# Allegro board MB1248D.brd (continued)
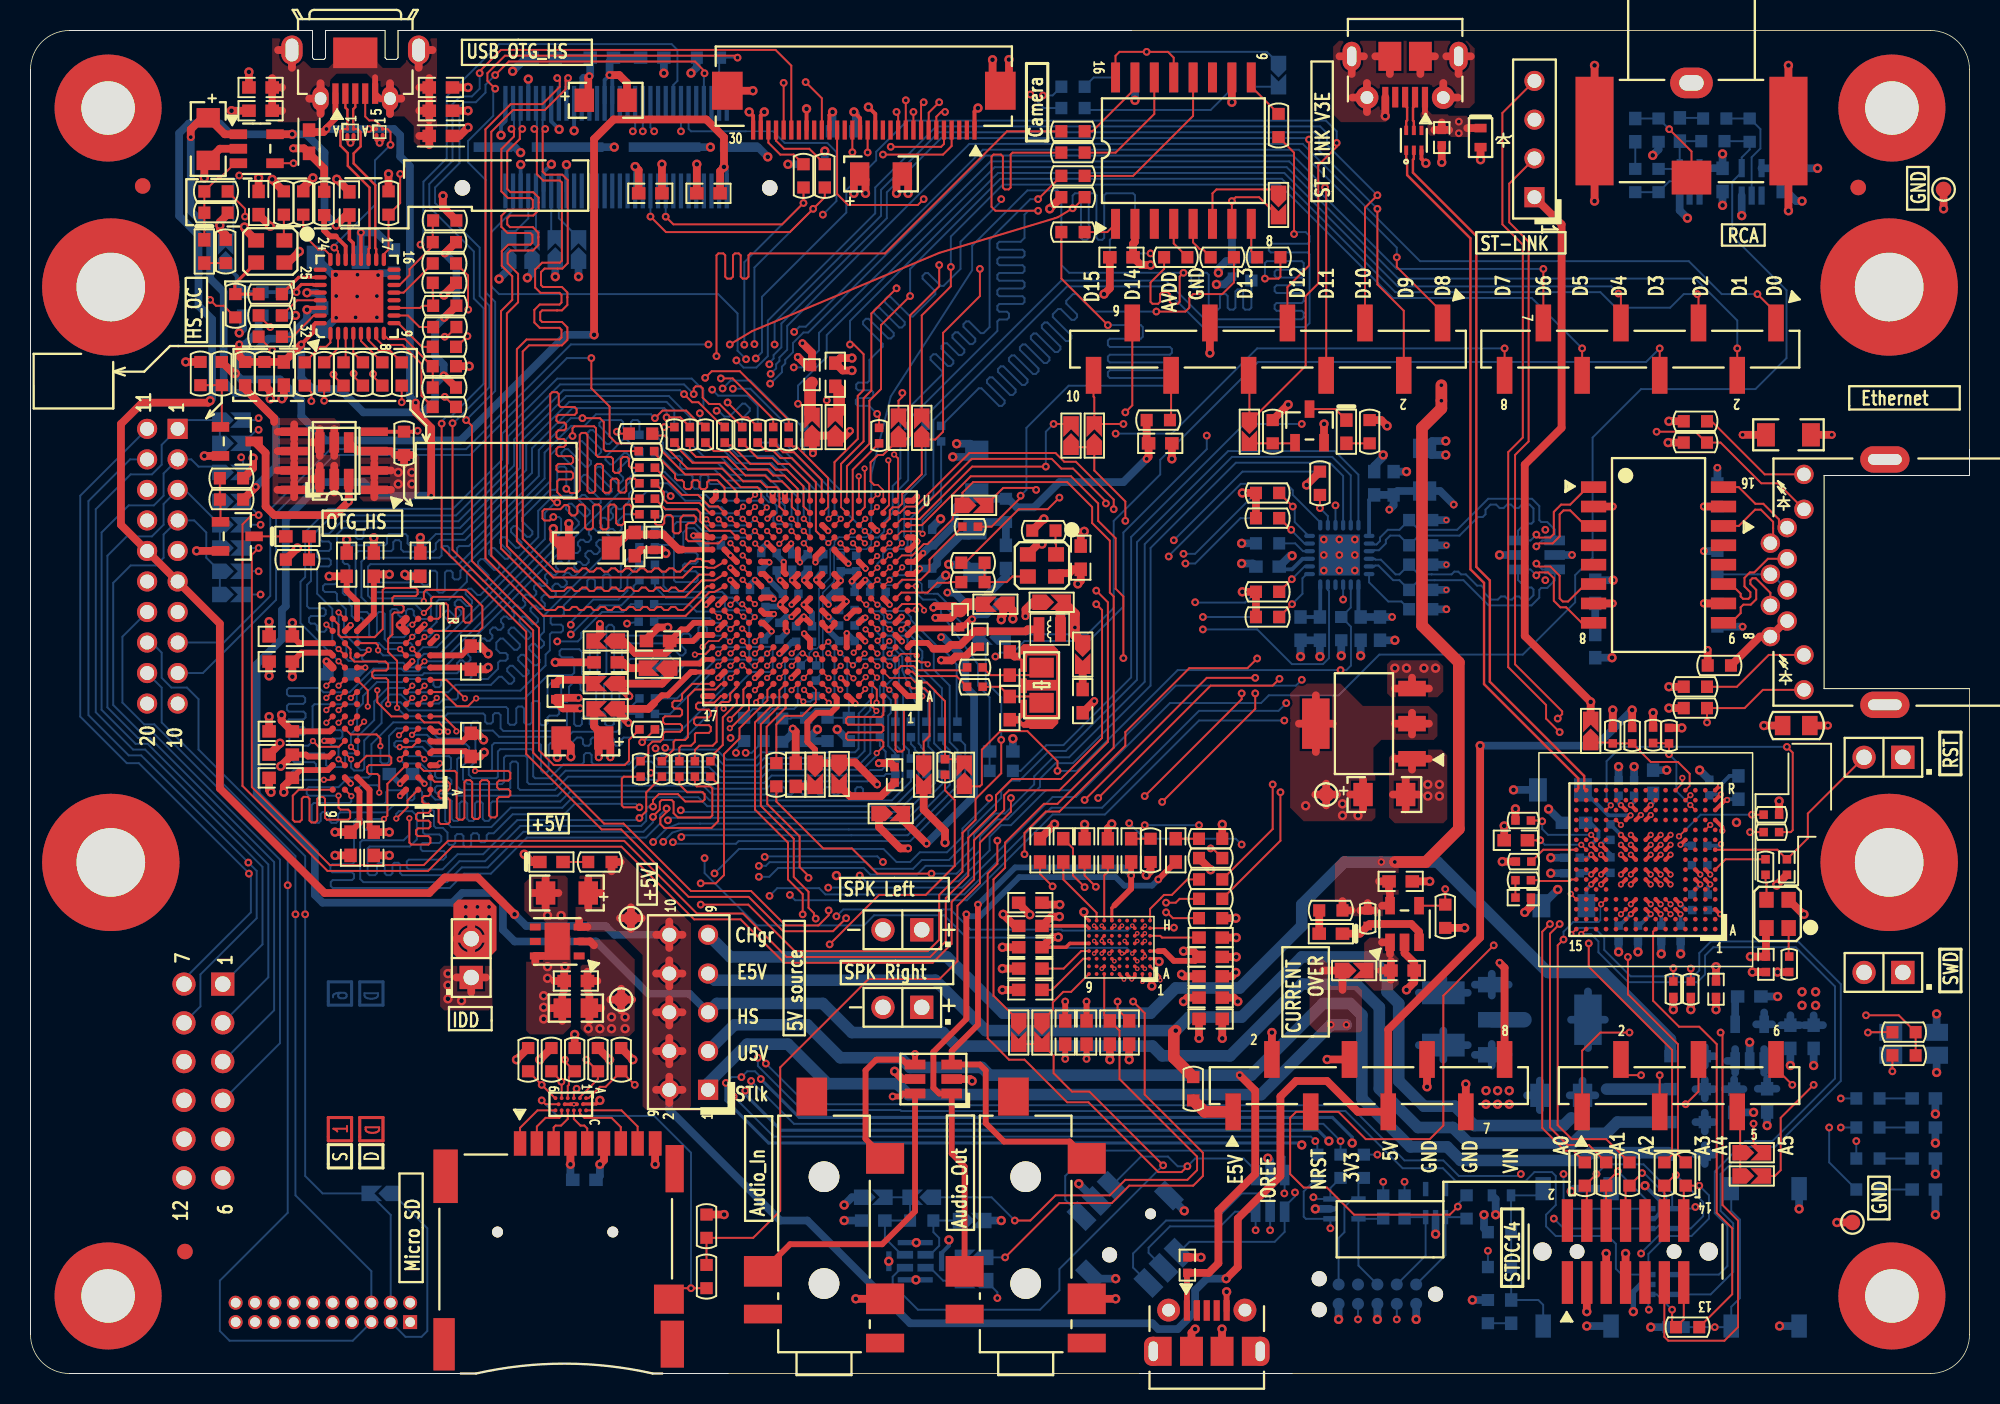
[diagram p0: board, top side]
## Routing (per net, layer and track width the routed paths; a pad name or vN(x,y) marks a point on that pad's centre or on a via; arc(x,y) is an arc through that point) (continued)
VDD_SDC: length 35.9
  TOP w0.381: U6.G2 v2(57.05,49.58)
  TOP w0.508: SB48.1 57.1,36.31 v1(58.69,34.72)
  TOP w0.635: SB19.2 68.41,48.38 v1(68.41,48.88) 68.41,49.77 67.77,50.41 67.46,50.1 L3.1
  L4_SIG w0.508: v2(57.05,49.58) 57.17,49.58 58.12,48.63 58.39,48.63 58.77,48.25 v1(59.64,48.25) 60.15,48.25 60.61,48.71 64.63,48.71 64.81,48.88 v1(68.41,48.88)
  BOTTOM w0.508: v1(59.64,48.25) 59.77,48.25 60.82,47.2 61.23,46.63 61.23,45.01 61.8,44.44 61.8,37.83 v1(58.69,34.72)
VDDA: length 9.5
  TOP w0.381: v2(58.25,52.74) 57.89,52.39 U6.L1
  BOTTOM w0.102: 59.15,52.84 C101.2
  BOTTOM w0.508: 59.15,52.84 59.39,53.07 59.39,53.38 60.91,54.9 61.47,54.9 C92.1 62.36,55.79 R158.1 L6.2 ; v2(58.25,52.74) C101.2
VIN: length 14.3
  TOP w0.508: v1(96.22,26.91) 96.55,26.58 CN8.8
  BOTTOM w0.508: 95.71,24.77 U19.3 ; U19.3 95.71,26.19 ; U19.3 96.82,25.48 ; U19.3 94.61,25.48 ; 90.94,24.94 C143.1 ; C143.1 94.14,24.94 ; C143.1 92.54,25.9
A0: length 45.1
  TOP w0.127: U7.G8 v2(20.18,42.64)
  L4_SIG w0.102: v2(20.18,42.64) 20.38,42.64 20.81,43.07 22.13,43.07 22.69,42.51 24.38,42.51 24.69,42.82 28.22,42.82 28.63,42.41 29.35,40.27 33,36.62 38.26,36.62 39.53,37.89 41.2,37.89 v1(42.59,36.91)
  BOTTOM w0.127: R199.1 58.68,38.7 56.77,36.79 42.7,36.79 v1(42.59,36.91)
A1: length 45.7
  TOP w0.127: U7.G9 v2(19.38,42.64)
  L4_SIG w0.102: v2(19.38,42.64) 19.79,41.7 20.86,40.63 21.21,40.63 24.77,39.16 25.86,39.16 27.04,38.36 32.31,34.83 v1(40.78,34.83)
  BOTTOM w0.127: R198.1 59.69,38.6 57.12,36.03 43.85,36.03 43.85,36.03 42.45,36.03 41.68,35.73 v1(40.78,34.83)
A2: length 47.1
  TOP w0.127: U7.F7 v2(21.85,42.71)
  L4_SIG w0.102: v1(41.44,34.84) 41.44,34.85 41.03,35.27 32.36,35.27 29.98,37.66 29.35,37.66 27.42,39.59 25.74,39.59 24.66,40.67 23.92,40.67 21.87,42.71 v2(21.85,42.71)
  BOTTOM w0.127: v1(41.44,34.84) 41.44,34.85 42.03,35.44 42.69,35.65 53.6,35.65 53.6,35.65 56.04,35.65 56.04,35.65 57.29,35.65 60.2,38.57 60.2,40.83 59.77,41.26 59.77,41.62 R185.1
A3: length 45.1
  TOP w0.127: v2(24.13,41.82) 24.16,41.82 U7.F3
  L4_SIG w0.102: v1(41.75,36.25) 41.2,36.79 41.2,37.45 41.08,37.58 39.68,37.58 38.38,36.28 32.87,36.28 28.38,40.78 28.38,42.18 28.09,42.46 24.78,42.46 v2(24.13,41.82)
  BOTTOM w0.127: v1(41.75,36.25) 41.75,36.29 41.88,36.41 56.96,36.41 59.22,38.67 59.22,40.67 58.81,41.09 58.81,41.57 R186.1
A4: length 41.2
  TOP w0.127: v2(27.89,42.08) 27.89,42.19 27.03,43.05 U7.G1
  L4_SIG w0.102: v1(42.63,35.16) 42.44,35.35 42.04,35.35 41.48,35.9 32.72,35.9 30.31,38.32 29.67,38.32 27.89,40.1 v2(27.89,42.08)
  BOTTOM w0.127: R197.1 60.71,38.52 57.49,35.29 57.47,35.29 57.44,35.27 55.88,35.27 55.88,35.27 53.76,35.27 53.75,35.27 42.75,35.27 42.73,35.26 v1(42.63,35.16)
A5: length 45.4
  TOP w0.127: v2(27.34,42.05) 27.34,42.08 26.75,42.66 25.79,42.66 U7.G2
  L4_SIG w0.102: v1(42.08,34.81) 42.08,34.82 41.29,35.6 32.52,35.6 30.15,37.96 29.6,37.96 27.34,40.22 v2(27.34,42.05)
  BOTTOM w0.127: v1(42.08,34.81) 42.18,34.71 46.2,34.71 46.38,34.89 53.91,34.89 53.91,34.89 55.72,34.89 55.72,34.89 57.62,34.89 61.22,38.49 61.22,41.19 R184.1
A6: length 47.2
  TOP w0.127: v2(22.71,44.77) 22.71,43.98 23.64,43.05 U7.G3
  L4_SIG w0.102: v2(22.71,44.77) 23.47,44.77 24.34,43.91 27.54,43.91 28.33,44.69 29.47,44.69 29.57,44.59 29.57,43.68 29.7,43.55 33.53,43.55 33.66,43.68 33.66,44.82 34.08,45.24 35.09,45.24 38.46,48.6 38.46,53.99 41.48,57.01 41.48,58.97 45.42,62.9 45.65,62.9 46.09,63.34 46.09,64.44 v1(46,64.53)
  BOTTOM w0.127: v1(46,64.53) 47.15,64.53 R143.1
A7: length 43.7
  TOP w0.127: U7.H1 v2(26.6,44.27)
  L4_SIG w0.102: v2(26.6,44.27) 27.47,44.27 28.2,45 29.79,45 29.89,44.9 29.89,43.96 29.99,43.85 30.2,43.85 30.3,43.96 30.3,44.9 30.4,45 30.6,45 30.7,44.9 30.7,43.96 30.81,43.85 31.01,43.85 31.11,43.96 31.11,44.9 31.21,45 31.41,45 31.52,44.9 31.52,43.96 31.62,43.85 31.82,43.85 31.92,43.96 31.92,44.9 32.02,45 32.23,45 32.33,44.9 32.33,43.96 32.43,43.85 32.63,43.85 32.74,43.96 32.74,44.9 32.84,45 33.36,45 33.91,45.56 34.98,45.56 38.12,48.69 38.12,54.13 41.15,57.16 41.15,59.2 44.14,62.18 44.14,62.18 44.57,62.62 44.57,62.97 44.68,63.08 44.94,63.08 v1(44.94,63.08)
  BOTTOM w0.127: R145.1 46.61,62.57 47.11,63.07 47.11,63.25 46.81,63.55 46.63,63.55 45.78,62.7 45.45,62.7 45.06,63.08 v1(44.94,63.08)
A8: length 44.4
  TOP w0.127: v1(45.66,63.63) 46.63,62.65 46.99,62.65 R53.1 ; U7.H2 v2(25.81,44.27)
  L4_SIG w0.102: v2(25.81,44.27) 26.1,44.27 26.47,44.64 27.33,44.64 28.12,45.43 31.11,45.43 31.21,45.53 31.21,46.95 31.31,47.06 32.95,47.06 33.05,46.95 33.05,46.75 32.95,46.65 31.72,46.65 31.62,46.55 31.62,46.34 31.72,46.24 32.95,46.24 33.05,46.14 33.05,45.94 32.95,45.84 31.72,45.84 31.62,45.73 31.62,45.53 31.72,45.43 33.3,45.43 33.76,45.89 34.88,45.89 37.8,48.81 37.8,54.27 40.85,57.32 40.85,59.32 44.01,62.49 44.02,62.49 44.27,62.74 44.27,63.51 44.48,63.72 45.57,63.72 v1(45.66,63.63)
A9: length 42.1
  TOP w0.127: U7.J3 v2(25.01,45.07)
  L4_SIG w0.102: v2(25.01,45.07) 25.45,44.62 25.92,44.62 26.29,45 27.16,45 27.89,45.73 30.59,45.73 30.71,45.86 30.71,47.28 30.84,47.41 33.27,47.41 33.4,47.28 33.4,46.32 33.5,46.22 33.7,46.22 33.8,46.32 33.8,47.13 33.9,47.23 35.77,47.23 36.45,47.92 36.45,49.42 36.6,49.56 37.09,49.56 37.19,49.66 37.19,49.87 37.09,49.97 36.56,49.97 36.45,50.07 36.45,50.3 36.56,50.4 37.06,50.4 37.17,50.5 37.17,50.7 37.06,50.81 36.56,50.81 36.45,50.91 36.45,51.11 36.56,51.21 37.06,51.21 37.17,51.31 37.17,51.52 37.06,51.62 36.56,51.62 36.45,51.72 36.45,51.92 36.56,52.02 37.06,52.02 37.17,52.13 37.17,52.33 37.06,52.43 36.56,52.43 36.45,52.53 36.45,52.74 36.56,52.84 37.06,52.84 37.17,52.94 37.17,53.14 37.06,53.24 36.56,53.24 36.45,53.35 36.45,54.42 38.97,56.94 39.93,56.94 40.47,57.47 40.47,59.55 v1(43.84,62.92)
  BOTTOM w0.127: v1(43.84,62.92) 43.84,62.38 R147.1
A10: length 49.2
  TOP w0.127: U7.G7 v2(20.98,42.64) ; R55.1 49.66,62.47 46.46,65.67 44.62,65.67 v1(44.19,65.24)
  L4_SIG w0.102: v2(20.98,42.64) 20.54,42.2 20.02,42.2 19.73,42.49 19.73,42.79 19.43,43.09 19.18,43.09 18.37,43.91 18.37,47.49 20.76,49.87 21.9,49.87 23.75,51.73 26.32,51.73 34.32,59.73 35.16,59.73 36.63,61.2 36.63,62.45 39.22,65.04 43.99,65.04 v1(44.19,65.24)
A11: length 47.2
  TOP w0.127: U7.H9 19.77,43.85 v2(19.38,43.47) ; R54.1 48.65,62.55 45.99,65.2 v1(45.22,65.2)
  L4_SIG w0.102: v1(45.22,65.2) 44.77,65.2 44.3,64.73 39.43,64.73 36.96,62.27 36.96,61.03 34.99,59.05 34.84,59.05 34.58,59.31 34.44,59.31 34.29,59.17 34.29,59.03 34.56,58.76 34.56,58.62 34.41,58.47 34.27,58.47 34.01,58.74 33.86,58.74 33.69,58.57 33.69,58.43 33.93,58.19 33.93,58.04 33.79,57.9 33.64,57.9 33.41,58.14 33.26,58.14 33.12,57.99 33.12,57.85 33.36,57.61 33.36,57.47 33.21,57.33 33.07,57.33 32.83,57.56 32.69,57.56 26.55,51.42 23.96,51.42 22.03,49.49 20.88,49.49 18.67,47.28 18.67,44.17 v2(19.38,43.47)
A12: length 50.1
  TOP w0.127: U7.H3 v2(25.01,44.27)
  L4_SIG w0.102: v2(25.01,44.27) 24.53,44.27 24.21,44.59 24.21,45.71 24.39,45.89 27.03,45.89 27.49,46.34 29.04,46.34 29.14,46.45 29.14,46.71 29.04,46.82 28.43,46.82 28.33,46.92 28.33,48.07 28.43,48.17 28.63,48.17 28.73,48.07 28.73,47.32 28.83,47.22 29.04,47.22 29.14,47.32 29.14,48.17 29.27,48.3 30.87,48.3 30.99,48.42 30.99,48.59 30.87,48.71 28.44,48.71 28.33,48.83 28.33,48.99 28.44,49.11 30.9,49.11 31.02,49.23 31.02,49.4 30.9,49.52 28.47,49.52 28.35,49.64 28.35,49.81 28.47,49.93 31.3,49.93 31.42,49.8 31.42,48.43 31.55,48.3 33.99,48.3 34.09,48.4 34.09,48.6 33.99,48.71 31.92,48.71 31.81,48.83 31.81,48.99 31.92,49.11 33.99,49.11 34.09,49.21 34.09,49.42 33.99,49.52 31.9,49.52 31.78,49.64 31.78,49.81 31.9,49.93 34.4,49.93 34.5,49.82 v1(34.5,47.97)
  BOTTOM w0.127: R172.1 39.32,50.41 38.82,49.9 37.44,49.9 36.07,48.53 36.07,48.2 35.84,47.97 v1(34.5,47.97)
A14: length 47.6
  TOP w0.127: v2(20.98,44.27) 21.37,44.65 U7.J7
  L4_SIG w0.102: v2(20.98,44.27) 23.74,47.03 26.88,47.03 26.98,47.13 26.98,47.75 27.08,47.85 27.59,47.85 27.69,47.95 27.69,48.15 27.59,48.25 27.08,48.25 26.98,48.35 26.98,48.56 27.08,48.66 27.59,48.66 27.69,48.76 27.69,48.96 27.59,49.07 27.08,49.07 26.98,49.17 26.98,49.37 27.08,49.47 27.59,49.47 27.69,49.57 27.69,50.51 27.87,50.69 28.27,50.69 28.37,50.79 28.37,51.33 28.49,51.45 28.66,51.45 28.78,51.33 28.78,50.79 28.88,50.69 29.08,50.69 29.18,50.79 29.18,52.19 29.3,52.31 29.47,52.31 29.59,52.19 29.59,50.79 29.69,50.69 31.55,50.69 31.68,50.81 31.68,51.06 31.58,51.16 30.15,51.16 30.05,51.26 30.05,52.92 30.15,53.02 30.36,53.02 30.46,52.92 30.46,51.67 30.56,51.57 30.76,51.57 30.87,51.67 30.87,52.92 30.97,53.02 31.17,53.02 31.27,52.92 31.27,51.67 31.37,51.57 31.58,51.57 31.68,51.67 31.68,53.02 31.81,53.15 35.06,53.15 35.39,52.82 v1(35.39,49.06)
  BOTTOM w0.127: v1(35.39,49.06) 35.39,49.24 36.86,50.71 38.51,50.71 39.1,51.3 39.1,52.21 R168.1
A15: length 47.2
  TOP w0.127: U7.H8 20.57,43.85 v2(20.18,43.47)
  L4_SIG w0.102: v2(20.18,43.47) 20.57,43.85 21.09,43.85 23.5,46.27 26.93,46.27 27.34,46.67 27.72,46.67 28.02,46.98 28.02,49.95 28.43,50.36 31.88,50.36 32.01,50.48 32.01,52.59 32.14,52.72 34.84,52.72 34.96,52.6 34.96,52.43 34.84,52.31 32.53,52.31 32.42,52.19 32.42,52.03 32.53,51.91 34.84,51.91 34.96,51.79 34.96,51.62 34.84,51.5 32.53,51.5 32.42,51.38 32.42,51.21 32.53,51.09 34.8,51.09 34.9,50.99 34.9,50.79 34.8,50.69 32.53,50.69 32.42,50.57 32.42,50.4 32.53,50.28 34.8,50.28 34.9,50.18 34.9,48.81 35.29,48.43 v1(35.39,48.43)
  BOTTOM w0.127: v1(35.39,48.43) 37.29,50.33 38.69,50.33 39.5,51.14 39.5,51.6 R169.1
BK2_IO0: length 67.5
  TOP w0.127: v1(65.99,76.19) 63.2,76.19 62.95,76.44 62.95,79.74 63.07,79.87 63.56,79.87 63.69,79.74 63.69,77.71 63.82,77.59 64.07,77.59 64.2,77.71 64.2,79.87 64.32,80 R3.1
  L4_SIG w0.102: v1(65.49,83.81) 65.49,83.31 65.38,83.21 64.7,83.21 64.6,83.11 64.6,82.91 64.7,82.8 65.38,82.8 65.49,82.7 65.49,82.5 65.38,82.4 64.7,82.4 64.6,82.3 64.6,82.09 64.7,81.99 65.38,81.99 65.49,81.89 65.49,81.69 65.38,81.58 64.7,81.58 64.6,81.48 64.6,81.28 64.7,81.18 65.38,81.18 65.49,81.08 65.49,80.87 65.38,80.77 64.7,80.77 64.6,80.67 64.6,80.47 64.7,80.37 65.38,80.37 65.49,80.26 65.49,80.06 65.38,79.96 64.83,79.96 64.72,79.86 64.72,79.65 64.83,79.55 65.38,79.55 65.49,79.45 65.49,79.25 65.38,79.15 64.83,79.15 64.72,79.04 64.72,78.84 64.83,78.74 65.38,78.74 65.49,78.64 65.49,76.7 v1(65.99,76.19)
  BOTTOM w0.127: R125.1 66.38,82.92 v1(65.49,83.81) ; R141.2 57.49,62.47 63.33,68.31 63.33,68.94 63.45,69.07 63.96,69.07 64.09,69.19 64.09,69.45 63.96,69.57 63.45,69.57 63.33,69.7 63.33,69.95 63.45,70.08 64.98,70.08 65.11,70.21 65.11,70.46 64.98,70.59 63.45,70.59 63.33,70.72 63.33,70.97 63.45,71.1 64.98,71.1 65.11,71.22 65.11,71.48 64.98,71.61 63.45,71.61 63.33,71.73 63.33,71.99 63.45,72.11 64.98,72.11 65.11,72.24 65.11,72.49 64.98,72.62 63.45,72.62 63.33,72.75 63.33,73 63.45,73.13 64.98,73.13 65.11,73.26 65.11,73.51 64.98,73.64 63.45,73.64 63.33,73.76 63.33,74.03 63.45,74.16 64.85,74.16 65.11,74.41 65.11,75.93 65.36,76.19 v1(65.99,76.19)
BK2_IO1: length 67.4
  TOP w0.127: v1(73.74,69.58) 75.65,69.58 75.9,69.84 75.9,70.47 76.15,70.73 78.06,70.73 78.82,71.49 R19.2
  L4_SIG w0.102: v1(73.36,73.39) 74.27,73.39 74.38,73.29 74.38,72.19 74.27,72.09 72.06,72.09 71.96,71.99 71.96,71.78 72.06,71.68 74.27,71.68 74.38,71.58 74.38,71.29 74.27,71.18 72.95,71.18 72.85,71.08 72.85,70.88 72.95,70.78 74.27,70.78 74.38,70.68 74.38,69.71 74.25,69.58 v1(73.74,69.58)
  BOTTOM w0.127: v1(73.74,69.58) 69.68,69.58 68.53,70.73 68.28,70.73 67.84,70.29 67.84,70.11 68.55,69.4 68.55,69.22 68.37,69.04 68.19,69.04 67.48,69.75 67.3,69.75 66.96,69.41 66.96,69.23 68.18,68.01 68.18,67.83 68,67.65 67.82,67.65 66.6,68.87 66.42,68.87 66.24,68.69 66.24,68.51 67.46,67.29 67.46,67.11 67.28,66.93 67.1,66.93 65.88,68.15 65.7,68.15 65.52,67.97 65.52,67.79 66.74,66.57 66.74,66.39 66.56,66.21 66.38,66.21 65.16,67.43 64.98,67.43 64.8,67.25 64.8,67.07 66.02,65.85 66.02,65.67 65.84,65.49 65.66,65.49 64.44,66.71 64.26,66.71 64.08,66.53 64.08,66.35 65.3,65.13 65.3,64.95 65.12,64.78 64.94,64.78 63.72,65.99 63.54,65.99 63.37,65.81 63.37,65.63 64.52,64.48 64.52,64.3 64.34,64.12 64.16,64.12 63.01,65.27 62.83,65.27 62.65,65.09 62.65,64.91 63.8,63.76 63.8,63.58 63.62,63.4 63.44,63.4 62.29,64.55 62.11,64.55 R139.2 ; v1(73.36,73.39) 72.47,73.39 R134.2
BK2_IO2: length 69.1
  TOP w0.127: R6.1 v1(65.99,76.95)
  L4_SIG w0.102: v1(66.31,83.75) 65.99,83.43 65.99,82.9 66.1,82.8 66.91,82.8 67.01,82.7 67.01,82.49 66.91,82.39 66.1,82.39 65.99,82.29 65.99,82.09 66.1,81.99 66.91,81.99 67.01,81.88 67.01,81.68 66.91,81.58 66.1,81.58 65.99,81.48 65.99,81.27 66.1,81.17 67.04,81.17 67.14,81.07 67.14,80.87 67.04,80.77 66.1,80.77 65.99,80.66 65.99,80.46 66.1,80.36 67.04,80.36 67.14,80.26 67.14,80.06 67.04,79.95 66.1,79.95 65.99,79.85 65.99,79.65 66.1,79.55 67.04,79.55 67.14,79.45 67.14,79.24 67.04,79.14 66.1,79.14 65.99,79.04 v1(65.99,76.95)
  BOTTOM w0.102: 55.25,54.78 55.07,54.6 55.07,54.32 54.76,54.01 52.72,54.01 52.63,53.93 52.63,51.91 51.89,51.17 51.89,47.05 51.9,47.05 51.9,45.96 51.44,45.51 R181.2
  BOTTOM w0.127: R124.1 66.95,83.75 v1(66.31,83.75) ; 55.25,54.78 55.52,54.78 55.91,55.17 55.91,55.82 56.47,56.38 56.47,58.15 56.98,58.66 56.98,62.73 59.72,65.47 59.72,65.65 58.95,66.43 58.95,66.61 59.13,66.79 59.31,66.79 60.08,66.01 60.26,66.01 60.44,66.19 60.44,66.37 59.67,67.14 59.67,67.32 59.85,67.5 60.03,67.5 60.8,66.73 60.98,66.73 61.16,66.91 61.16,67.09 60.39,67.86 60.39,68.04 60.57,68.22 60.75,68.22 61.52,67.45 61.7,67.45 61.88,67.63 61.88,67.81 61.11,68.58 61.11,68.76 61.29,68.94 61.47,68.94 62.24,68.17 62.42,68.17 62.82,68.57 62.82,74.28 65.49,76.95 v1(65.99,76.95)
BK2_IO3: length 75.5
  TOP w0.127: v1(75.52,72.12) 75.27,71.87 75.27,70.22 75.14,70.09 74.75,70.09 74.62,70.22 74.62,70.73 74.49,70.85 74.11,70.85 73.98,70.73 73.98,70.22 73.86,70.09 73.49,70.09 73.36,70.22 73.36,71.49 74.25,72.38 R18.2
  BOTTOM w0.102: R178.2 51.01,46.95 51.01,47.21 51.29,47.49 51.5,47.49 51.64,47.63 51.64,51.42 52.38,52.16 52.38,54.01 52.66,54.29 52.66,54.51 52.96,54.8 54.75,54.8 55.07,55.13 55.07,56.12
  BOTTOM w0.127: R135.2 79.96,69.84 79.84,69.71 79.56,69.71 79.43,69.84 79.43,70.91 79.3,71.03 79.05,71.03 78.92,70.91 78.92,69.84 78.79,69.71 78.54,69.71 78.41,69.84 78.41,70.6 78.29,70.73 78.03,70.73 77.91,70.6 77.91,69.84 77.78,69.71 77.3,69.71 77.17,69.84 77.17,72 77.04,72.12 76.66,72.12 76.53,72 76.53,71.24 76.4,71.11 76.15,71.11 76.02,71.24 76.02,72 75.9,72.12 v1(75.52,72.12) 68.03,72.12 67.52,72.63 67.52,77.27 67.26,77.52 65.3,77.52 61.68,73.9 61.68,72.29 56.34,64.01 55.07,58.94 55.07,56.12
BOOT0: length 8.7
  TOP w0.102: v2(52.26,47.94) 52.21,47.94 U6.E8
  BOTTOM w0.127: R196.1 49.8,42.91 49.85,42.97 R192.2 50.82,42.97 51.4,43.55 52.53,43.55 52.66,43.68 52.66,47.46 52.26,47.86 v2(52.26,47.94)
CAMERA_CLK: length 57.6
  TOP w0.127: P1.21 51.83,83.56 v1(50.77,84.62) ; R24.2 12.65,69.97 12.15,69.97 v1(11.77,70.35)
  L4_SIG w0.102: v1(50.77,84.62) 49.7,85.69 34.25,85.69 30.03,81.47 30.03,81.33 28.41,79.72 27.59,79.72 25.99,78.12 21.3,78.12 20.59,78.83 17,78.83 16.39,79.44 14,79.44 10.7,76.14 10.7,71.41 v1(11.77,70.35)
D0: length 41.6
  TOP w0.127: v1(34.24,56.12) 34.02,55.9 33.66,55.9 33.53,56.02 33.53,56.5 33.66,56.63 34.7,56.63 34.98,56.91 35.16,56.91 35.29,56.78 35.29,56.38 35.44,56.22 35.67,56.22 35.82,56.38 35.82,56.81 35.95,56.94 36.2,56.94 36.33,56.81 36.33,55.44 36.45,55.31 36.71,55.31 36.83,55.44 36.83,56.81 36.96,56.94 37.22,56.94 37.34,56.81 37.34,55.44 37.47,55.31 37.72,55.31 37.85,55.44 37.85,56.81 37.98,56.94 38.23,56.94 38.36,56.81 38.36,55.72 38.49,55.59 38.74,55.59 38.87,55.72 38.87,56.81 38.99,56.94 39.25,56.94 39.37,56.81 39.37,56.43 39.5,56.3 R67.1 ; U7.R8 v2(20.18,49.87)
  BOTTOM w0.127: v2(20.18,49.87) 20.18,48.34 20.68,47.84 20.68,46.85 20.83,46.7 21.09,46.7 21.21,46.83 21.21,46.95 21.34,47.08 21.59,47.08 21.72,46.95 21.72,46.83 21.85,46.7 22.69,46.7 22.81,46.57 24.41,46.57 24.72,46.27 25.13,46.27 25.37,46.52 25.37,46.76 25.77,47.16 26.8,47.16 34.75,55.11 34.75,56 34.63,56.12 v1(34.24,56.12)
D1: length 46.6
  TOP w0.127: v1(34.5,57.08) 34.31,57.08 34.04,57.34 34.04,64.17 34.17,64.3 34.47,64.3 34.6,64.17 34.6,63.45 34.73,63.33 35.64,63.33 35.77,63.2 35.77,62.95 35.64,62.82 34.57,62.82 34.45,62.69 34.45,62.44 34.57,62.31 34.96,62.31 35.08,62.18 35.08,61.93 34.96,61.8 34.57,61.8 34.45,61.68 34.45,61.35 34.57,61.22 34.93,61.22 35.06,61.1 35.06,60.84 34.93,60.72 34.57,60.72 34.45,60.59 34.45,60.24 34.57,60.11 35.41,60.11 35.54,59.98 35.54,59.73 35.41,59.6 34.57,59.6 34.45,59.47 34.45,59.22 34.57,59.09 35.41,59.09 35.54,58.97 35.54,58.71 35.41,58.59 34.63,58.59 34.5,58.46 34.5,57.75 34.93,57.32 R65.1 ; U7.N7 22.62,47.85 22.76,47.72 v2(22.76,47.39)
  BOTTOM w0.127: v2(22.76,47.39) 23.09,47.06 25.18,47.06 25.71,47.59 26.6,47.59 33.69,54.68 33.69,56.39 34.37,57.08 v1(34.5,57.08)
D2: length 43.9
  TOP w0.127: U7.R9 20.17,49.07 20.17,48.43 20.35,48.25 22.53,48.25 23.07,48.78 23.07,51.35 23.2,51.47 25.23,51.47 25.35,51.35 25.35,51.07 25.23,50.94 23.83,50.94 23.7,50.81 23.7,50.5 23.83,50.37 24.31,50.37 24.44,50.25 24.44,49.99 24.31,49.86 23.83,49.86 23.7,49.74 23.7,48.43 23.42,48.15 23.42,47.28 24.01,46.7 v2(24.01,43.61)
  BOTTOM w0.127: v2(24.01,43.61) 24.02,43.61 24.57,43.07 27.16,43.07 27.34,43.25 29.65,43.25 29.78,43.12 29.78,42.71 29.91,42.58 30.16,42.58 30.29,42.71 30.29,43.14 30.41,43.27 30.66,43.27 30.79,43.14 30.79,42.28 30.97,42.1 34.88,42.1 35.13,42.36 35.13,43.35 35.26,43.47 35.48,43.47 35.61,43.35 35.61,42.56 35.74,42.43 35.99,42.43 36.12,42.56 36.12,42.94 36.22,43.04 36.52,43.04 36.63,42.94 36.63,42.56 36.75,42.43 37.01,42.43 37.13,42.56 37.13,43.19 37.26,43.32 37.51,43.32 37.64,43.19 37.64,42.56 37.77,42.43 38.08,42.43 38.21,42.56 38.21,43.22 38.66,43.68 39.32,43.68 R182.1
D3: length 42.3
  TOP w0.127: U7.N8 20.59,47.82 20.96,47.45 20.96,47.21 20.96,46.9 20.96,46.9 21.21,46.65 23.25,46.65 23.42,46.47 23.42,46.19 23.3,46.07 22.51,46.07 22.38,45.94 22.38,45.68 22.51,45.56 23.3,45.56 23.42,45.43 v2(23.42,43.85)
  BOTTOM w0.127: v2(23.42,43.85) 23.55,43.98 24.24,43.98 24.77,43.45 26.98,43.45 27.2,43.67 31.15,43.67 31.27,43.54 31.27,42.64 31.4,42.51 31.69,42.51 31.82,42.64 31.82,43.58 31.94,43.7 32.2,43.7 32.32,43.58 32.32,42.66 32.45,42.53 32.71,42.53 32.83,42.66 32.83,43.93 32.96,44.06 33.21,44.06 33.34,43.93 33.34,42.61 33.47,42.48 33.74,42.48 33.86,42.61 33.86,42.98 33.99,43.11 34.5,43.11 34.63,43.23 34.63,43.49 34.5,43.61 33.99,43.61 33.86,43.74 33.86,45.02 34.1,45.25 34.63,45.25 34.76,45.12 34.76,44.13 34.89,44.01 35.14,44.01 35.27,44.13 35.27,45 35.52,45.25 35.9,45.25 36.03,45.12 36.03,44.82 36.16,44.69 36.41,44.69 36.54,44.82 36.54,45.12 36.67,45.25 36.92,45.25 37.05,45.12 37.05,43.98 37.17,43.85 37.43,43.85 37.56,43.98 37.56,45.12 37.68,45.25 37.94,45.25 38.06,45.12 38.06,44.16 38.19,44.03 38.44,44.03 38.57,44.16 38.57,45.12 38.77,45.33 39.81,45.33 R180.1
D4: length 45.8
  TOP w0.127: v1(43.44,64.17) 43.44,64.56 43.57,64.68 43.9,64.68 44.02,64.56 44.02,63.95 44.44,63.53 45.12,63.53 46.61,62.03 R52.1 ; U7.P9 v2(19.38,49.07)
  BOTTOM w0.127: v1(43.44,64.17) 42.8,64.81 34.68,64.81 31.28,61.41 31.28,59.64 27.87,56.22 19.77,56.22 18.37,54.83 18.37,51.93 18.12,51.68 18.12,50.28 18.26,50.14 19.21,50.14 19.33,50.01 19.33,49.76 19.21,49.63 18.37,49.63 18.24,49.5 18.24,49.25 18.35,49.14 18.62,49.14 18.75,49.01 18.75,48.76 18.9,48.6 19.25,48.6 19.38,48.73 v2(19.38,49.07)
D5: length 43.8
  TOP w0.127: v1(42.8,64.17) 43.34,63.64 43.75,63.64 45.14,62.24 45.24,62.24 R51.1 ; U7.M8 v2(20.18,47.47)
  BOTTOM w0.127: v2(20.18,47.47) 19.77,47.88 19.77,50.1 18.78,51.09 18.78,52.76 18.9,52.89 19.54,52.89 19.66,53.01 19.66,53.27 19.54,53.39 18.9,53.39 18.78,53.52 18.78,53.77 18.9,53.9 19.54,53.9 19.66,54.03 19.66,54.39 19.54,54.52 19.11,54.52 18.98,54.64 18.98,54.9 19.11,55.02 19.56,55.02 20.38,55.84 28.03,55.84 31.67,59.48 31.67,59.54 31.68,59.55 31.68,61.2 34.9,64.43 42.55,64.43 v1(42.8,64.17)
D6: length 41.6
  TOP w0.127: v2(22.15,47.41) 21.8,47.05 U7.M7
  BOTTOM w0.127: v2(22.15,47.41) 21.62,47.41 20.53,48.5 20.53,49.52 20.66,49.65 20.66,50.08 20.07,50.66 20.07,51.08 19.94,51.21 19.28,51.21 19.16,51.34 19.16,51.59 19.28,51.72 19.94,51.72 20.07,51.85 20.07,54.98 20.5,55.41 21.18,55.41 21.3,55.28 21.3,54.8 21.43,54.68 21.68,54.68 21.81,54.8 21.81,55.28 21.94,55.41 28.13,55.41 32.05,59.32 32.05,59.34 32.06,59.35 32.06,61.03 35.08,64.05 41.81,64.05 43.18,62.68 R148.1
D7: length 44.8
  TOP w0.127: U7.L8 v2(20.18,46.67)
  BOTTOM w0.127: v2(20.18,46.67) 17.68,49.16 17.68,51.88 17.99,52.19 17.99,55.13 19.51,56.66 27.67,56.66 30.89,59.88 30.89,61.58 34.5,65.19 43.31,65.19 44.07,64.43 44.07,63.31 45.14,62.24 45.24,62.24 R146.1
D8: length 37.6
  TOP w0.127: U7.L2 v2(25.81,46.67)
  BOTTOM w0.127: R151.1 39.04,61.2 38.82,61.2 37.66,60.05 37.66,59.87 37.96,59.57 38.14,59.57 38.87,60.31 39.05,60.31 39.23,60.13 39.23,59.95 38.5,59.21 38.5,59.03 38.82,58.71 38.82,58.54 38.6,58.32 38.43,58.32 37.33,59.41 37.16,59.41 36.98,59.24 36.98,59.06 38.07,57.97 38.07,57.79 37.89,57.61 37.71,57.61 36.43,58.89 36.25,58.89 36.07,58.71 36.07,58.53 37.35,57.25 37.35,57.07 37.17,56.89 36.99,56.89 36.3,57.57 36.12,57.57 35.94,57.39 35.94,57.21 36.63,56.53 36.63,56.35 36.45,56.17 36.27,56.17 35.45,56.99 35.27,56.99 35.09,56.81 35.09,56.63 35.91,55.81 35.91,55.63 26.95,46.67 v2(25.81,46.67)
D9: length 40.9
  TOP w0.127: U7.M3 24.2,47.44 v2(24.2,47.47)
  BOTTOM w0.127: v2(24.2,47.47) 23.21,47.47 22.81,47.87 21.67,47.87 21.42,48.12 21.42,48.88 21.54,49.01 21.67,49.01 21.8,49.14 21.8,49.39 21.67,49.52 21.16,49.52 21.04,49.65 21.04,50.28 20.88,50.43 20.88,50.89 20.76,51.01 20.58,51.01 20.45,51.14 20.45,51.39 20.58,51.52 20.76,51.52 20.88,51.65 20.88,51.9 20.76,52.03 20.58,52.03 20.45,52.16 20.45,52.41 20.58,52.54 20.76,52.54 20.88,52.66 20.88,52.92 20.76,53.05 20.58,53.05 20.45,53.17 20.45,53.43 20.58,53.55 20.76,53.55 20.88,53.68 20.88,54.07 21.09,54.27 23.22,54.27 23.35,54.39 23.35,54.88 23.47,55.01 24.57,55.01 24.69,54.88 24.69,54.39 24.82,54.27 25.81,54.27 26.55,55.01 28.28,55.01 32.47,59.2 32.47,60.85 35.29,63.67 41.66,63.67 42.17,63.15 R149.1
D10: length 42
  TOP w0.127: R49.1 43.18,62.03 42.56,62.65 v1(41.66,62.65) ; v2(25.01,47.47) 25.01,47.44 U7.M2
  BOTTOM w0.127: v2(25.01,47.47) 25.01,47.74 24.88,47.87 23.45,47.87 23.2,48.12 23.2,49.77 23.07,49.9 22.81,49.9 22.69,49.77 22.69,48.38 22.56,48.25 22.31,48.25 22.18,48.38 22.18,49.75 22.03,49.9 21.54,49.9 21.42,50.03 21.42,50.51 21.29,50.64 21.29,53.71 21.47,53.89 23.63,53.89 23.76,54.02 23.76,54.47 23.89,54.6 24.14,54.6 24.27,54.47 24.27,54.01 24.43,53.85 26.38,53.85 26.54,54.01 26.54,54.39 26.78,54.62 28.45,54.62 32.85,59.02 32.85,60.62 35.49,63.26 41.51,63.26 41.66,63.11 v1(41.66,62.65)
D11: length 43.5
  TOP w0.127: v1(40.9,62.6) 41.39,63.1 42.94,63.1 43.79,62.24 43.97,62.24 R50.1 ; v2(25.76,50.61) 25.76,51.2 25.91,51.35 28.53,51.35 29.6,50.28 29.6,48.88 29.37,48.65 U7.P1
  BOTTOM w0.127: v1(40.9,62.6) 40.64,62.85 37.04,62.85 36.28,62.09 35.42,62.09 33.67,60.35 33.67,58.65 28.06,53.03 22.26,53.03 22.1,52.87 22.1,50.97 22.29,50.79 25.58,50.79 v2(25.76,50.61)
D12: length 38.8
  TOP w0.127: U7.N2 v2(25.81,48.27)
  BOTTOM w0.127: R150.1 39.88,62.35 39.76,62.47 39.45,62.47 39.32,62.35 39.32,61.94 39.22,61.84 38.94,61.84 38.82,61.96 38.82,62.35 38.69,62.47 37.44,62.47 37.26,62.29 37.26,62.11 38.1,61.27 38.1,61.09 37.92,60.91 37.74,60.91 36.84,61.81 36.66,61.81 36.56,61.71 36.56,61.71 36.48,61.63 36.48,61.45 37.38,60.55 37.38,60.37 37.2,60.19 37.02,60.19 36.12,61.09 35.94,61.09 35.76,60.91 35.76,60.73 36.71,59.78 36.71,59.6 36.53,59.42 36.35,59.42 35.2,60.57 35.01,60.57 34.78,60.34 34.78,60.16 35.64,59.3 35.64,57.75 35.41,57.52 34.24,57.52 33.25,56.53 33.25,54.8 29.46,51.01 29.28,51.01 28.86,51.43 28.68,51.43 28.5,51.25 28.5,51.07 28.92,50.65 28.92,50.47 28.74,50.29 28.56,50.29 28.14,50.71 27.96,50.71 27.78,50.53 27.78,50.35 28.2,49.93 28.2,49.75 28.02,49.57 27.84,49.57 27.43,49.99 27.25,49.99 27.07,49.81 27.07,49.63 27.48,49.21 27.48,49.03 27.13,48.68 26.5,48.68 26.08,48.27 v2(25.81,48.27)
D13: length 44.8
  TOP w0.127: v1(36.15,62.6) 37.29,62.6 37.55,62.35 37.55,60.57 37.67,60.44 R59.1 ; U7.R1 26.71,49.45 26.84,49.58 26.84,50.33 26.96,50.46 27.22,50.46 27.34,50.33 27.34,49.33 27.47,49.2 27.73,49.2 27.85,49.33 27.85,50.1 27.98,50.23 28.23,50.23 28.36,50.1 28.36,49.33 28.49,49.2 28.76,49.2 28.88,49.33 28.88,50.26 28.25,50.89 26.37,50.89 26.24,50.76 26.24,50.31 25.78,49.84 v2(25.76,49.84)
  BOTTOM w0.127: v2(25.76,49.84) 25.19,50.41 22.13,50.41 21.67,50.87 21.67,53.2 21.93,53.46 26.78,53.46 26.92,53.6 26.92,54.09 27.05,54.22 27.3,54.22 27.43,54.09 27.43,53.6 27.56,53.47 27.81,53.47 27.94,53.6 27.94,54.09 28.07,54.22 28.7,54.22 33.29,58.81 33.29,60.5 35.39,62.6 v1(36.15,62.6)
D14: length 47.7
  TOP w0.127: R62.1 39.58,58.64 39.15,58.64 39.02,58.51 39.02,57.82 38.92,57.72 38.64,57.72 38.51,57.85 38.51,58.51 38.38,58.64 38.13,58.64 38,58.51 38,57.84 37.88,57.71 37.62,57.71 37.5,57.84 37.5,59.48 37.37,59.6 37.11,59.6 36.99,59.48 36.99,57.84 36.86,57.71 36.61,57.71 36.48,57.84 36.48,61.51 36.35,61.63 36.1,61.63 35.97,61.51 35.97,57.88 35.79,57.7 35.36,57.7 v1(35.09,57.96) ; U7.N3 v2(25.01,48.27)
  BOTTOM w0.127: v2(25.01,48.27) 25.42,48.68 26.04,48.68 26.6,49.24 26.6,50.56 26.75,50.71 27.41,50.71 28.58,51.88 28.58,52.46 28.76,52.64 28.94,52.64 29.63,51.95 29.81,51.95 29.99,52.13 29.99,52.31 29.31,52.99 29.31,53.19 29.48,53.36 29.66,53.36 30.35,52.67 30.53,52.67 30.71,52.85 30.71,53.03 30.03,53.71 30.03,53.91 30.2,54.08 30.38,54.08 31.07,53.39 31.25,53.39 31.43,53.56 31.43,53.74 30.75,54.43 30.75,54.63 30.92,54.8 31.1,54.8 31.79,54.1 31.97,54.1 32.15,54.28 32.15,54.46 31.47,55.14 31.47,55.35 31.64,55.52 31.82,55.52 32.51,54.82 32.69,54.82 32.87,55 32.87,55.18 32.19,55.86 32.19,56.07 34.02,57.9 34.37,57.9 34.5,58.03 34.5,59.3 34.63,59.42 34.97,59.42 35.09,59.3 v1(35.09,57.96)